# Altium PCB Mosaic-Portenta.PcbDoc (part 2 of 2)
Units mm, origin at the board's own origin, x right, y up, seen from the top; angles counter-clockwise.
Board outline 95 x 75 mm, 4 copper layers (L1, L2, L3, L4), stack 1.546 mm thick; 121 components, 132 nets, 916 pads, 376 vias.
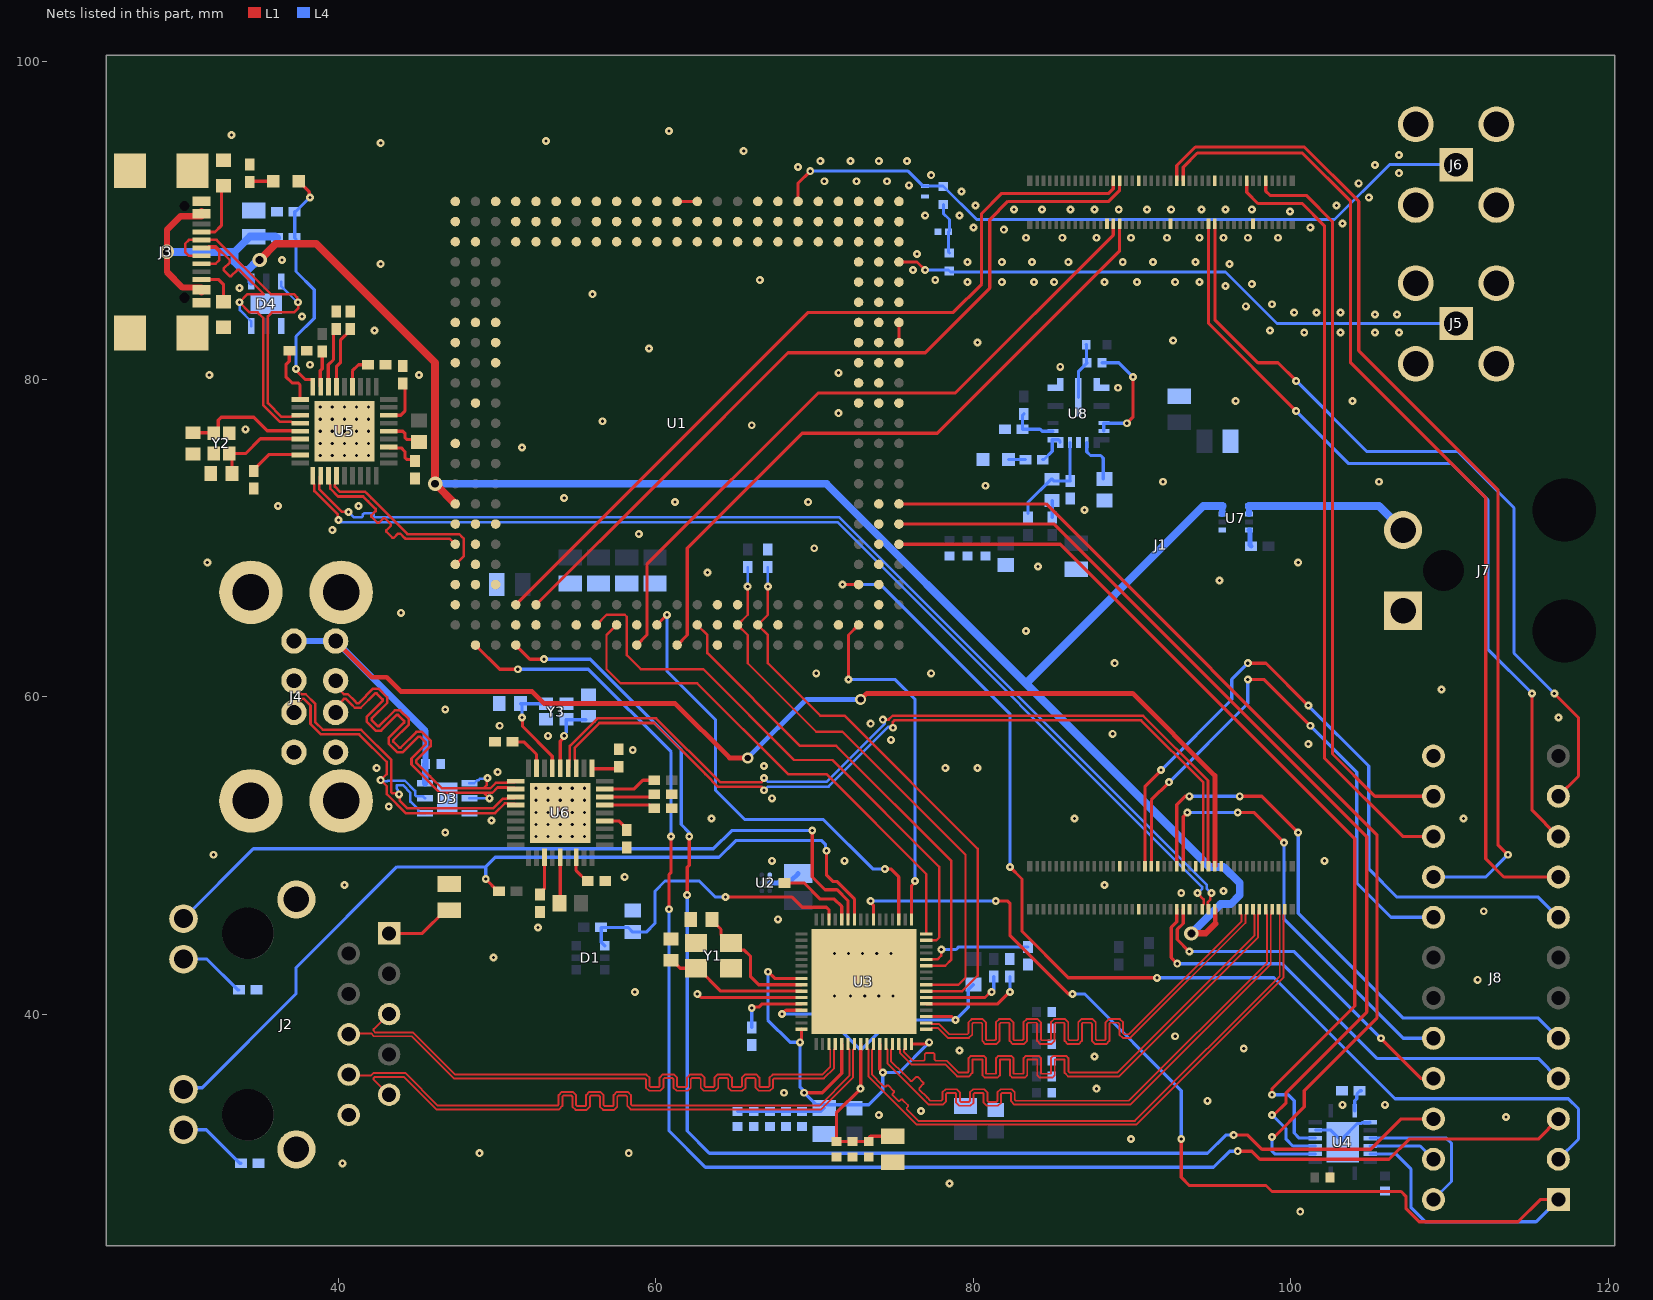
[diagram p4: the nets of this part, all layers, seen from the top]

## Via types
v1: diameter 0.5, hole 0.2, L1 to L4, 361 vias
v2: diameter 0.9, hole 0.5, L1 to L4, 9 vias
v3: diameter 0.6, hole 0.3, L1 to L4, 4 vias
v4: diameter 0.7, hole 0.4, L1 to L4, 2 vias

## Nets (pads, with @x,y where several pads share a name; then routed paths per layer and width w, separated by ;. In a path a pad name is that pad's centre, name@x,y a point inside that pad or via, vN(x,y) a via of type N, cw(c..) or ccw(c..) an arc to the next point about the centre after c; other vN are vias at no path point) (continued)
ETH_1C_N: J2.P6 U3.4 | length 40
  L1 w0.12: J2.P6@40.64,38.735 40.693,38.788 42.062,38.788 42.242,38.608 44.624,38.608 47.273,35.959 58.31,35.959 59.303,35.959 59.373,35.889 59.373,35.376 59.574,35.175 60.272,35.175 60.473,35.376 60.473,35.904 60.536,35.967 61.039,35.967 61.101,35.904 61.101,35.376 61.302,35.175 62,35.175 62.201,35.376 62.201,35.904 62.264,35.967 62.767,35.967 62.829,35.904 62.829,35.376 63.03,35.175 63.728,35.175 63.929,35.376 63.929,35.904 63.992,35.967 64.495,35.967 64.557,35.904 64.557,35.376 64.758,35.175 65.456,35.175 65.657,35.376 65.657,35.904 65.72,35.967 66.223,35.967 66.285,35.904 66.285,35.376 66.486,35.175 67.184,35.175 67.385,35.376 67.385,35.889 67.456,35.959 68.542,35.959 70.583,35.959 71.222,36.598 71.222,37.764 71.304,37.846 U3.4@71.304,38.125
ETH_1C_P: J2.P5 U3.3 | length 39.4
  L1 w0.12: J2.P5@43.18,40.005 42.229,39.054 42.229,38.955 42.34,38.844 44.722,38.844 47.371,36.195 58.31,36.195 59.401,36.195 59.609,35.986 59.609,35.473 59.672,35.411 60.175,35.411 60.237,35.473 60.237,36.002 60.438,36.203 61.136,36.203 61.337,36.002 61.337,35.473 61.4,35.411 61.903,35.411 61.965,35.473 61.965,36.002 62.166,36.203 62.864,36.203 63.065,36.002 63.065,35.473 63.128,35.411 63.631,35.411 63.693,35.473 63.693,36.002 63.894,36.203 64.592,36.203 64.793,36.002 64.793,35.473 64.856,35.411 65.359,35.411 65.421,35.473 65.421,36.002 65.622,36.203 66.32,36.203 66.521,36.002 66.521,35.473 66.584,35.411 67.087,35.411 67.149,35.473 67.149,35.986 67.358,36.195 68.542,36.195 70.485,36.195 70.986,36.696 70.986,37.764 70.904,37.846 U3.3@70.904,38.125
ETH_1D_N: J2.P9 U3.7 | length 39.9
  L1 w0.12: J2.P9@43.18,34.925 42.229,35.876 42.229,35.975 42.299,36.046 44.139,36.046 46.176,34.008 53.68,34.008 53.907,34.008 54.116,34.216 54.116,34.805 54.178,34.868 54.681,34.868 54.744,34.805 54.744,34.17 54.945,33.969 55.643,33.969 55.844,34.17 55.844,34.805 55.906,34.868 56.409,34.868 56.472,34.805 56.472,34.17 56.673,33.969 57.371,33.969 57.572,34.17 57.572,34.805 57.634,34.868 58.137,34.868 58.2,34.805 58.2,34.216 58.408,34.008 58.801,34.008 70.41,34.008 72.422,36.02 72.422,37.764 72.504,37.846 U3.7@72.504,38.125
ETH_1D_P: J2.P8 U3.6 | length 39.7
  L1 w0.12: J2.P8@40.64,36.195 40.693,36.142 42.062,36.142 42.202,36.282 44.236,36.282 46.274,34.244 53.68,34.244 53.809,34.244 53.88,34.314 53.88,34.903 54.081,35.104 54.779,35.104 54.98,34.903 54.98,34.268 55.042,34.205 55.545,34.205 55.608,34.268 55.608,34.903 55.809,35.104 56.507,35.104 56.708,34.903 56.708,34.268 56.77,34.205 57.273,34.205 57.336,34.268 57.336,34.903 57.537,35.104 58.235,35.104 58.436,34.903 58.436,34.314 58.506,34.244 58.801,34.244 70.312,34.244 72.186,36.118 72.186,37.764 72.104,37.846 U3.6@72.104,38.125
ETH_2A_N: J1.3 U3.10 | length 37.5
  L1 w0.12: U3.10@73.704,38.125 73.704,37.846 73.622,37.764 73.622,36.186 74.208,35.6 74.373,35.434 74.473,35.434 74.549,35.51 74.638,35.51 74.993,35.155 74.993,35.066 74.912,34.985 74.912,34.896 75.267,34.541 75.356,34.541 75.437,34.622 75.526,34.622 75.881,34.267 75.881,34.178 75.805,34.102 75.805,34.003 76.292,33.516 76.534,33.274 90.17,33.274 99.293,42.397 99.293,46.269 99.266,46.296 99.266,46.554 J1.3@99.211,46.609
ETH_2A_P: J1.1 U3.9 | length 37.7
  L1 w0.12: U3.9@73.304,38.125 73.304,37.846 73.386,37.764 73.386,36.088 76.436,33.038 90.268,33.038 99.529,42.299 99.529,46.269 99.556,46.296 99.556,46.554 J1.1@99.611,46.609
ETH_2B_N: J1.7 U3.13 | length 37.4
  L1 w0.12: U3.13@74.904,38.125 74.904,37.846 74.822,37.764 74.822,37.018 75.567,36.273 76.049,35.791 76.148,35.791 76.405,36.048 76.493,36.048 76.849,35.693 76.849,35.604 76.592,35.347 76.592,35.248 77.079,34.761 77.296,34.544 77.851,34.544 77.98,34.544 78.05,34.614 78.05,35.07 78.251,35.271 78.949,35.271 79.15,35.07 79.15,34.531 79.213,34.468 79.716,34.468 79.778,34.531 79.778,35.07 79.979,35.271 80.677,35.271 80.878,35.07 80.878,34.531 80.941,34.468 81.444,34.468 81.506,34.531 81.506,35.07 81.707,35.271 82.405,35.271 82.606,35.07 82.606,34.614 82.677,34.544 82.817,34.544 89.789,34.544 98.493,43.248 98.493,46.269 98.466,46.296 98.466,46.554 J1.7@98.411,46.609
ETH_2B_P: J1.5 U3.12 | length 37.3
  L1 w0.12: U3.12@74.504,38.125 74.504,37.846 74.586,37.764 74.586,36.92 77.198,34.308 77.851,34.308 78.078,34.308 78.286,34.517 78.286,34.972 78.349,35.035 78.852,35.035 78.914,34.972 78.914,34.433 79.115,34.232 79.813,34.232 80.014,34.433 80.014,34.972 80.077,35.035 80.58,35.035 80.642,34.972 80.642,34.433 80.843,34.232 81.541,34.232 81.742,34.433 81.742,34.972 81.805,35.035 82.308,35.035 82.37,34.972 82.37,34.517 82.579,34.308 82.817,34.308 89.887,34.308 98.729,43.15 98.729,46.269 98.756,46.296 98.756,46.554 J1.5@98.811,46.609
ETH_2C_N: J1.11 U3.15 | length 37.3
  L1 w0.12: U3.15@75.704,38.125 75.704,37.846 75.622,37.764 75.622,37.635 76.191,37.066 76.864,37.066 76.934,37.136 76.934,37.49 76.997,37.552 77.499,37.552 77.562,37.49 77.562,37.136 77.632,37.066 78.32,37.066 78.33,37.066 79.074,36.322 79.502,36.322 79.631,36.322 79.701,36.392 79.701,37.233 79.84,37.372 80.663,37.372 80.801,37.233 80.801,36.247 81.429,36.247 81.429,37.233 81.568,37.372 82.391,37.372 82.529,37.233 82.529,36.247 83.157,36.247 83.157,37.233 83.296,37.372 84.119,37.372 84.257,37.233 84.257,36.247 84.885,36.247 84.885,37.233 85.024,37.372 85.847,37.372 85.985,37.233 85.985,36.392 86.056,36.322 87.503,36.322 89.074,36.322 97.693,44.941 97.693,46.155 97.693,46.269 97.666,46.296 97.666,46.554 J1.11@97.611,46.609
ETH_2C_P: J1.9 U3.14 | length 37.3
  L1 w0.12: U3.14@75.304,38.125 75.304,37.846 75.386,37.764 75.386,37.537 76.093,36.83 78.232,36.83 78.976,36.086 79.502,36.086 79.729,36.086 79.937,36.295 79.937,37.136 80.565,37.136 80.565,36.149 80.704,36.011 81.527,36.011 81.665,36.149 81.665,37.136 82.293,37.136 82.293,36.149 82.432,36.011 83.255,36.011 83.393,36.149 83.393,37.136 84.021,37.136 84.021,36.149 84.16,36.011 84.983,36.011 85.121,36.149 85.121,37.136 85.749,37.136 85.749,36.295 85.958,36.086 87.503,36.086 89.172,36.086 97.929,44.843 97.929,46.058 97.929,46.269 97.956,46.296 97.956,46.554 J1.9@98.011,46.609
ETH_2D_N: J1.15 U3.18 | length 37.4
  L1 w0.12: U3.18@77.028,39.45 77.308,39.45 77.39,39.368 77.851,39.368 78.483,38.735 79.492,38.735 79.621,38.735 79.691,38.805 79.691,39.493 79.892,39.694 80.59,39.694 80.791,39.493 80.791,38.417 80.854,38.354 81.356,38.354 81.419,38.417 81.419,39.493 81.62,39.694 82.318,39.694 82.519,39.493 82.519,38.417 82.582,38.354 83.084,38.354 83.147,38.417 83.147,39.493 83.348,39.694 84.046,39.694 84.247,39.493 84.247,38.417 84.31,38.354 84.812,38.354 84.875,38.417 84.875,39.493 85.076,39.694 85.774,39.694 85.975,39.493 85.975,38.417 86.038,38.354 86.54,38.354 86.603,38.417 86.603,39.493 86.804,39.694 87.502,39.694 87.703,39.493 87.703,38.417 87.766,38.354 88.268,38.354 88.331,38.417 88.331,39.493 88.532,39.694 89.23,39.694 89.431,39.493 89.431,38.805 89.502,38.735 89.746,38.735 89.789,38.735 96.893,45.839 96.893,46.269 96.866,46.296 96.866,46.554 J1.15@96.811,46.609
ETH_2D_P: J1.13 U3.17 | length 37.8
  L1 w0.12: U3.17@77.028,39.05 77.308,39.05 77.39,39.132 77.753,39.132 78.386,38.499 79.492,38.499 79.719,38.499 79.927,38.708 79.927,39.395 79.99,39.458 80.493,39.458 80.555,39.395 80.555,38.319 80.756,38.118 81.454,38.118 81.655,38.319 81.655,39.395 81.718,39.458 82.22,39.458 82.283,39.395 82.283,38.319 82.484,38.118 83.182,38.118 83.383,38.319 83.383,39.395 83.446,39.458 83.948,39.458 84.011,39.395 84.011,38.319 84.212,38.118 84.91,38.118 85.111,38.319 85.111,39.395 85.174,39.458 85.676,39.458 85.739,39.395 85.739,38.319 85.94,38.118 86.638,38.118 86.839,38.319 86.839,39.395 86.902,39.458 87.404,39.458 87.467,39.395 87.467,38.319 87.668,38.118 88.366,38.118 88.567,38.319 88.567,39.395 88.63,39.458 89.132,39.458 89.195,39.395 89.195,38.708 89.404,38.499 89.746,38.499 89.887,38.499 97.129,45.741 97.129,46.269 97.156,46.296 97.156,46.554 J1.13@97.211,46.609
ETH_ISET: R2.2 U3.60 | length 4.5
  L1 w0.2: v1(66.04,40.386) 66.097,40.443 66.484,40.443 66.69,40.65 67.808,40.65 U3.60@69.18,40.65
  L4 w0.2: R2.2@66.04,39.158 v1(66.04,40.386)
ETH_LED2_0: J2.P13 R3.2 U3.42 | length 55.6
  L1 w0.2: v1@49.276,48.514 v1(49.286,48.514) 50.048,47.752 R3.2@50.123,47.752 ; v1(70.739,50.292) 70.739,48.768 71.142,48.365 71.396,48.365 72.504,47.257 U3.42@72.504,45.974
  L4 w0.2: J2.P13@30.23,35.265 30.332,35.367 31.43,35.367 37.338,41.275 37.338,42.926 43.688,49.276 49.276,49.276 ; v1(49.286,48.514) 49.286,49.266 49.276,49.276 ; v1(70.739,50.292) 70.682,50.349 70.682,50.7 70.455,50.927 65.024,50.927 63.979,49.882 49.882,49.882 49.276,49.276
ETH_LED2_1: J2.P11 U3.43 | length 48.9
  L1 w0.2: v1(69.85,51.562) 69.85,48.641 70.651,47.84 71.413,47.84 72.104,47.149 U3.43@72.104,45.974
  L4 w0.2: J2.P11@30.25,46.015 34.654,50.419 63.627,50.419 64.77,51.562 v1(69.85,51.562)
ETH_PME_N: R9.2 U3.44 | length 5
  L1 w0.2: R9.2@68.114,48.26 69.342,48.26 70.358,47.244 71.247,47.244 71.704,46.787 U3.44@71.704,45.974
ETH_RST_N: C30.1 D1.1 R15.2 U3.46 | length 19.6
  L1 w0.2: v1(64.389,47.371) 68.58,47.371 69.215,46.736 70.739,46.736 70.904,46.571 U3.46@70.904,45.974
  L4 w0.2: D1.1@56.78,44.311 56.557,44.534 R15.2@56.557,45.466 58.248,45.466 C30.1@58.547,45.167 59.391,45.167 59.944,45.72 59.944,47.752 60.579,48.387 62.738,48.387 63.754,47.371 v1(64.389,47.371)
EVENTA_1V8: U1.AC6 U4.5 | length 59.7
  L1 w0.2: U1.AC6@75.311,69.596 85.471,69.596 104.013,51.054 104.013,40.513 98.806,35.306 v1(98.806,34.925)
  L4 w0.2: v1(98.806,34.925) 99.822,34.925 100.203,34.544 100.203,32.512 100.518,32.197 U4.5@101.538,32.197
EVENTB_1V8: U1.AC7 U4.4 | length 61.6
  L1 w0.2: U1.AC7@75.311,70.866 85.09,70.866 104.775,51.181 104.775,40.132 99.695,35.052 99.695,34.417 98.933,33.655 v1(98.806,33.655)
  L4 w0.2: v1(98.806,33.655) 99.695,32.766 99.695,32.121 100.119,31.697 U4.4@101.538,31.697
GND: C1.2 C2.2 C3.2 C4.2 C5.2 C6.2 C7.2 C8.2 C9.2 C10.2 C11.2 C12.2 C13.2 C14.2 C15.2 C16.2 C17.2 C18.2 C19.2 C20.2 C21.2 C22.2 C23.2 C24.2 C25.2 C26.2 C27.2 C28.2 C29.2 C30.2 C32.1 C33.1 C34.2 C35.2 C37.2 C38.2 C39.2 C40.2 C41.2 C42.2 C44.2 C45.2 C46.2 C47.2 D2.2 D3.3 D3.7 D4.4 D4.7 D6.1 J1.22 J1.30 J1.31 J1.42 J1.47 J1.54 J1.104 J1.113 J1.124 J1.137 J1.150 J2.P10 J2.S1 J2.S2 J3.A1 J3.A12 J3.B1 J3.B12 J3.MP1 J3.MP2 J3.MP3 J3.MP4 J4.4A J4.4B J4.MP1 J4.MP2 J4.MP3 J4.MP4 J5.2 J5.3 J5.4 J5.5 J6.2 J6.3 J6.4 J6.5 J7.1 J8.13 R2.1 R4.1 R6.1 R8.1 R10.2 R11.2 R14.2 R16.2 R17.2 R19.2 R20.2 R21.2 R22.2 R23.2 R24.1 R25.1 R26.2 R27.2 R28.2 R29.2 R30.2 R31.2 R32.2 R35.2 R36.2 R40.2 R42.2 U1.A3 U1.A4 U1.A7 U1.A15 U1.A16 U1.A17 U1.A21 U1.A22 U1.A23 U1.AA13 U1.AA14 U1.AA15 U1.AA16 U1.AA17 U1.AA18 U1.AA19 U1.AA20 U1.AA21 U1.AA22 U1.AA23 U1.AB2 U1.AB3 U1.AB4 U1.AB5 U1.AB6 U1.AB7 U1.AB8 U1.AB13 U1.AB14 U1.AB15 U1.AB16 U1.AB17 U1.AB18 U1.AB19 U1.AB20 U1.AB21 U1.AB22 U1.AB23 U1.AC13 U1.AC15 U1.AC18 U1.AC19 U1.AC21 U1.AC22 U1.AC23 U1.B4 U1.B5 U1.B6 U1.B7 U1.B13 U1.B17 U1.B21 U1.C4 U1.C7 U1.C15 U1.C16 U1.C17 U1.C23 U1.D2 U1.D21 U1.D22 U1.D23 U1.E2 U1.E21 U1.E22 U1.E23 U1.F21 U1.F22 U1.F23 U1.G2 U1.G21 U1.G23 U1.H21 U1.H22 U1.H23 U1.J21 U1.J22 U1.J23 U1.K2 U1.K21 U1.K22 U1.K23 U1.L21 U1.L22 U1.L23 U1.M21 U1.M22 U1.N21 U1.N22 U1.P1 U1.P2 U1.P3 U1.P21 U1.P22 U1.R3 U1.R21 U1.R22 U1.T21 U1.T22 U1.T23 U1.U2 U1.U21 U1.U22 U1.U23 U1.V21 U1.V22 U1.W21 U1.W22 U1.W23 U1.Y2 U1.Y21 U1.Y22 U1.Y23 U2.C2 U3.59 U3.65 U4.6 U4.10 U4.17 U5.37 U6.37 U7.1 U8.3 U8.9 U8.11 U8.17 U8.18 Y1.2 Y1.4 Y2.2 Y2.4 Y3.2 Y3.4 | length 11.1
  L1 w0.2: v1(62.611,41.275) 62.836,41.05 U3.59@69.18,41.05
  L4 w0.2: U4.6@101.538,32.697 102.513,32.697 U4.17@103.263,31.947 103.263,32.197 104.188,33.122 104.438,33.122 104.473,33.157 104.948,33.157 U4.10@104.988,33.197
  other v1: 100.584,27.559 78.486,29.337 40.259,30.607 48.895,31.242 58.293,31.242 89.916,32.131 113.538,33.528 74.041,33.655 76.708,33.909 103.251,34.29 105.918,34.29 94.742,34.544 68.072,35.052 87.757,35.306 87.63,37.338 79.121,37.719 97.028,37.846 92.71,38.608 71.247,41.148 72.263,41.148 73.152,41.148 74.041,41.148 74.93,41.148 58.674,41.402 111.76,42.164 49.784,43.561 71.247,43.815 72.136,43.815 73.025,43.815 73.914,43.815 74.803,43.815 52.578,45.466 67.691,45.974 112.141,46.482 93.091,47.625 95.758,47.752 40.386,48.133 88.265,48.133 58.039,48.641 67.31,49.657 71.882,49.657 102.108,49.657 32.131,50.038 52.451,51.181 53.213,51.181 53.975,51.181 54.737,51.181 55.499,51.181 46.736,51.435 52.451,51.943 53.213,51.943 53.975,51.943 54.737,51.943 55.499,51.943 49.657,52.197 63.5,52.324 86.36,52.324 110.871,52.324 53.981,52.673 52.451,52.705 53.213,52.705 54.737,52.705 55.499,52.705 43.18,53.086 52.451,53.467 53.213,53.467 53.975,53.467 54.737,53.467 55.499,53.467 67.31,53.594 52.451,54.229 53.213,54.229 53.975,54.229 54.737,54.229 55.499,54.229 50.038,55.245 42.418,55.499 78.232,55.499 80.264,55.499 66.802,55.626 58.547,56.642 101.092,57.023 74.803,57.277 53.213,57.531 88.773,57.658 50.165,58.166 73.533,58.293 116.84,58.674 46.736,59.182 109.474,60.452 70.104,61.468 77.343,61.468 88.9,62.103 83.312,64.135 43.942,65.278 95.504,67.31 63.246,67.818 84.074,68.199 31.75,68.453 100.457,68.453 69.977,69.342 58.928,70.231 39.624,70.485 86.995,71.755 36.195,72.009 41.275,72.009 61.214,72.263 69.596,72.263 54.229,72.517 80.772,73.279 91.948,73.533 105.537,73.533 38.862,75.184 39.624,75.184 40.386,75.184 41.148,75.184 41.91,75.184 51.562,75.692 38.862,75.946 39.624,75.946 40.386,75.946 41.148,75.946 41.91,75.946 38.862,76.708 39.624,76.708 40.392,76.716 41.148,76.708 41.91,76.708 34.163,76.835 66.04,77.089 56.642,77.343 38.862,77.47 39.624,77.47 40.386,77.47 41.148,77.47 41.91,77.47 71.501,77.851 38.862,78.232 39.624,78.232 40.386,78.232 41.148,78.232 41.91,78.232 96.52,78.613 103.886,78.613 89.103,79.451 31.877,80.264 45.085,80.264 71.501,80.391 85.471,80.772 38.227,80.899 59.563,81.915 80.264,82.296 92.583,82.423 100.838,82.931 103.124,82.931 105.283,82.931 106.807,82.931 42.291,83.058 98.679,83.058 37.719,83.947 105.283,84.074 106.68,84.074 100.203,84.201 101.6,84.201 103.124,84.201 97.155,84.582 98.806,84.709 56.007,85.344 33.782,85.725 95.885,85.852 97.536,85.979 79.629,86.106 81.788,86.106 83.82,86.106 85.09,86.106 88.265,86.106 90.297,86.106 92.71,86.106 94.234,86.106 66.548,86.233 77.597,86.233 76.2,86.868 42.672,87.249 96.139,87.249 79.629,87.376 81.788,87.376 83.693,87.376 85.979,87.376 89.408,87.376 91.313,87.376 93.98,87.376 36.449,87.503 76.454,87.884 83.312,88.9 85.598,88.9 87.757,88.9 89.916,88.9 92.202,88.9 94.234,88.9 95.758,88.9 97.282,88.9 99.187,88.9 81.915,89.408 80.01,89.535 101.219,89.535 103.251,89.789 76.962,90.297 79.121,90.297 99.949,90.551 82.55,90.678 84.328,90.678 86.106,90.678 87.63,90.678 89.154,90.678 90.932,90.678 92.456,90.678 94.361,90.678 95.885,90.678 97.536,90.678 80.137,90.932 102.87,90.932 104.902,91.44 79.248,91.821 75.946,92.202 104.267,92.329 70.612,92.456 72.644,92.456 74.549,92.456 77.343,92.837 106.807,92.964 68.961,93.345 105.283,93.472 70.358,93.726 72.263,93.726 74.041,93.726 75.819,93.726 106.807,94.107 65.532,94.361 42.672,94.869 53.086,94.996 33.274,95.377 60.833,95.631
I2C_SCL0: J1.46 J8.8 | length 45.4
  L1 w0.2: J1.46@90.811,49.319 90.811,54.362 v1(91.821,55.372) ; v1(97.282,62.103) 98.425,62.103 v1(101.092,59.436)
  L4 w0.2: v1(91.821,55.372) 96.266,59.817 96.266,61.087 v1(97.282,62.103) ; v1(101.092,59.436) 104.902,55.626 104.902,49.149 106.68,47.371 115.57,47.371 J8.8@116.84,46.101
I2C_SCL1: J1.127 J8.9 | length 63
  L1 w0.2: J1.127@93.211,92.499 93.211,93.338 94.107,94.234 100.711,94.234 103.759,91.186 103.759,81.026 112.268,72.517 112.268,49.784 113.411,48.641 J8.9@116.84,48.641
I2C_SDA0: J1.44 J8.17 | length 36.3
  L1 w0.2: J1.44@91.211,49.319 91.211,53.492 v1(92.329,54.61) ; v1(97.282,61.087) 98.298,61.087 v1(101.219,58.166)
  L4 w0.2: v1(92.329,54.61) 97.282,59.563 v1(97.282,61.087) ; v1(101.219,58.166) 104.14,55.245 104.14,48.26 106.299,46.101 J8.17@108.97,46.101
I2C_SDA1: J1.125 J8.16 | length 64.6
  L1 w0.2: J1.125@92.811,92.499 92.811,93.446 93.98,94.615 100.838,94.615 104.267,91.186 104.267,81.788 113.03,73.025 113.03,50.673 v1(113.665,50.038)
  L4 w0.2: J8.16@108.97,48.641 112.268,48.641 v1(113.665,50.038)
MOS_EVA: J8.24 U4.12 | length 9.4
  L1 w0.2: J8.24@108.97,28.321 J8.24@108.97,28.444
  L4 w0.2: U4.12@104.988,32.197 109.789,32.197 110.109,31.877 110.109,29.464 108.97,28.325 J8.24@108.97,28.321
MOS_EVB: J8.23 U4.13 | length 4.3
  L4 w0.2: U4.13@104.988,31.697 108.134,31.697 J8.23@108.97,30.861
MOS_GP1: J8.2 U1.AA4 | length 72.3
  L1 w0.2: v1(71.755,67.056) U1.AA4@72.771,67.056 ; v1(82.296,49.276) 83.058,48.514 83.058,45.212 85.979,42.291 v1(91.567,42.291)
  L4 w0.2: v1(71.755,67.056) 74.168,67.056 82.296,58.928 v1(82.296,49.276) ; v1(91.567,42.291) 98.933,42.291 106.553,34.671 117.475,34.671 118.11,34.036 118.11,32.131 J8.2@116.84,30.861
MOS_nRST: U1.A11
MOS_PPS: J8.1 U3.39 U4.14 | length 73.9
  L1 w0.2: v1(73.533,47.117) 73.533,47.036 73.704,46.865 U3.39@73.704,45.974 ; v1(81.407,47.117) 82.169,47.117 82.296,46.99 82.296,44.958 85.979,41.275 v1(86.233,41.275) ; v1(93.091,32.131) 93.091,29.718 93.599,29.21 98.425,29.21 98.806,28.829 106.934,28.829 107.251,28.512 107.251,27.75 108.077,26.924 114.3,26.924 115.697,28.321 J8.1@116.84,28.321
  L4 w0.2: v1(73.533,47.117) v1(81.407,47.117) ; v1(86.233,41.275) 86.995,41.275 93.091,35.179 v1(93.091,32.131) ; U4.14@104.988,31.197 106.598,31.197 107.569,30.226 107.569,27.813 108.458,26.924 115.443,26.924 J8.1@116.84,28.321
MOS_RX1: J8.3 U1.B1 | length 97.7
  L1 w0.2: U1.B1@48.641,63.246 50.165,61.722 v1(51.308,61.722) ; v1(60.833,46.609) 60.833,48.803 60.96,48.93 v1(60.96,51.181) ; v1(96.647,31.369) 97.536,31.369 98.044,30.861 106.172,30.861 107.442,32.131 115.57,32.131 J8.3@116.84,33.401
  L4 w0.2: v1(51.308,61.722) 55.753,61.722 60.96,56.515 v1(60.96,51.181) ; v1(60.833,46.609) 60.833,32.639 63.119,30.353 95.123,30.353 96.139,31.369 v1(96.647,31.369)
MOS_RX3: J1.106 U1.K1 | length 44
  L1 w0.2: U1.K1@58.801,63.246 59.436,63.881 59.436,68.326 70.231,79.121 78.867,79.121 88.811,89.065 J1.106@88.811,89.789
MOS_RX4: J1.105 U1.D3 | length 51.6
  L1 w0.2: U1.D3@51.181,65.786 69.596,84.201 78.74,84.201 80.518,85.979 80.518,90.424 81.788,91.694 88.519,91.694 88.811,91.986 J1.105@88.811,92.499
MOS_TX1: J8.22 U1.D1 | length 86.6
  L1 w0.2: U1.D1@51.181,63.246 52.07,62.357 v1(52.959,62.357) ; v1(61.976,47.498) 61.976,49.247 62.103,49.374 v1(62.103,51.181) ; v1(96.393,32.385) 97.282,32.385 98.171,31.496 105.029,31.496 106.934,33.401 J8.22@108.97,33.401
  L4 w0.2: v1(52.959,62.357) 55.88,62.357 61.595,56.642 61.595,51.943 62.103,51.435 v1(62.103,51.181) ; v1(61.976,47.498) 61.976,32.639 63.373,31.242 94.742,31.242 95.885,32.385 v1(96.393,32.385)
MOS_TX3: J1.108 U1.M1 | length 43.1
  L1 w0.2: U1.M1@61.341,63.246 61.976,63.881 61.976,69.342 69.215,76.581 77.724,76.581 89.211,88.068 J1.108@89.211,89.789
MOS_TX4: J1.107 U1.E3 | length 50.7
  L1 w0.2: U1.E3@52.451,65.786 60.363,73.698 68.326,81.661 76.962,81.661 81.026,85.725 81.026,90.043 82.169,91.186 88.519,91.186 89.211,91.878 J1.107@89.211,92.499
NetC4_1: C4.1 C5.1 C6.1 C7.1 L3.1 U3.8 U3.19 U3.61 | length 31.2
  L1 w0.2: v1(67.945,40.005) 68.19,40.25 U3.61@69.18,40.25 ; U3.8@72.904,38.125 72.902,38.124 72.902,35.31 v1(72.898,35.306) 71.374,33.782 C4.1@71.374,31.976 72.263,31.976 73.152,31.976 73.182,31.976 73.362,32.156 73.362,32.164 73.514,32.316 C7.1@74.549,32.316 ; U3.19@77.028,39.85 78.641,39.85 v1(78.867,39.624)
  L4 w0.2: v1(67.945,40.005) 70.612,40.005 72.898,37.719 ; v1(72.898,35.306) 72.898,37.719 ; L3.1@80.01,41.872 79.673,41.535 79.673,40.43 v1(78.867,39.624) 74.803,39.624 72.898,37.719
NetC8_1: C8.1 C9.1 C10.1 C11.1 C12.1 C13.1 L2.1 U3.5 U3.11 U3.16 U3.56 U3.64 | length 35.9
  L1 w0.2: v1(67.056,42.672) 67.478,42.25 U3.56@69.18,42.25 ; v1(69.088,38.227) 69.18,38.319 U3.64@69.18,39.05 ; v1(69.342,35.052) 70.485,35.052 71.704,36.271 U3.5@71.704,38.125 ; U3.11@74.104,38.125 74.104,36.513 v1(74.295,36.322) ; U3.16@76.104,38.125 77.114,38.125 v1(77.216,38.227)
  L4 w0.2: C8.1@65.151,33.881 C9.1@66.167,33.881 C10.1@67.183,33.881 C11.1@68.199,33.881 C12.1@69.215,33.881 70.399,33.881 C13.1@70.612,34.094 ; v1(67.056,42.672) 67.056,39.624 68.453,38.227 v1(69.088,38.227) 69.088,35.401 69.342,35.147 v1(69.342,35.052) 70.104,34.29 73.406,34.29 74.295,35.179 v1(74.295,36.322) 75.311,36.322 v1(77.216,38.227)
NetC25_1: C25.1 U3.57 Y1.3 | length 8.4
  L1 w0.2: C25.1@63.535,45.974 63.535,45.904 64.102,45.337 64.102,44.988 64.602,44.488 Y1.3@64.727,44.488 ; Y1.3@64.787,44.488 Y1.3@64.727,44.488 ; U3.57@69.18,41.85 66.481,41.85 65.972,42.359 65.972,43.629 65.57,44.031 65.184,44.031 Y1.3@64.727,44.488
NetC26_1: C26.1 U3.58 Y1.1 | length 9
  L1 w0.2: C26.1@60.96,43.399 61.03,43.399 61.541,42.888 Y1.1@62.527,42.888 62.652,42.888 64.09,41.45 U3.58@69.18,41.45
NetC27_1: C27.1 J2.P1 | length 4.4
  L1 w0.2: J2.P1@43.18,45.085 45.284,45.085 46.75,46.551 C27.1@46.99,46.551
NetC31_1: C31.1 U5.14 | length 2.4
  L1 w0.2: U5.14@43.192,76.716 44.061,76.716 44.196,76.581 44.196,76.317 44.313,76.2 44.675,76.2 45.04,75.835 C31.1@45.04,75.819
NetC32_2: C32.2 U5.33 Y2.1 | length 6.2
  L1 w0.2: C32.2@33.309,74.041 33.309,75.126 Y2.1@33.129,75.306 34.158,75.306 35.092,76.24 37.568,76.24 U5.33@37.592,76.216
NetC33_2: C33.2 U5.32 Y2.3 | length 7.8
  L1 w0.2: C33.2@30.861,76.616 32.119,76.616 Y2.3@32.149,76.586 32.439,76.876 32.439,77.407 32.629,77.597 34.671,77.597 35.528,76.74 37.568,76.74 U5.32@37.592,76.716
NetC34_1: C34.1 U6.33 Y3.1 | length 6.5
  L1 w0.2: v1(51.562,58.674) 51.604,58.632 51.604,58.124 53.481,56.247 U6.33@53.481,55.473
  L4 w0.2: v1(51.562,58.674) 51.562,59.471 C34.1@51.47,59.563 51.488,59.545 Y3.1@53.081,59.545
NetC35_1: C35.1 U6.32 Y3.3 | length 4.5
  L1 w0.2: U6.32@53.981,55.473 53.975,55.479 53.975,57.196 54.229,57.45 v1(54.229,57.531)
  L4 w0.2: v1(54.229,57.531) 54.229,57.612 54.356,57.739 54.356,58.56 Y3.3@54.361,58.565 54.379,58.547 C35.1@55.591,58.547
NetC36_1: C36.1 U6.14 | length 2.8
  L1 w0.2: C36.1@53.981,47.041 U6.14@53.981,49.873
NetC37_1: C37.1 L4.2 L5.1 | length 3.3
  L4 w0.184: L5.1@78.105,91.002 78.105,90.424 78.486,90.043 78.486,89.332 C37.1@78.435,89.281 78.435,87.992 L4.2@78.486,87.941
NetC40_1: C40.1 U8.2 | length 3.1
  L4 w0.2: U8.2@87.139,76.001 87.139,75.421 87.376,75.184 88.011,75.184 88.183,75.012 C40.1@88.183,73.705
NetC43_1: C43.1 L6.1 U8.10 | length 3.6
  L4 w0.2: U8.10@86.614,78.851 86.614,80.46 87.15,80.996 C43.1@87.15,81.026 87.128,81.048 87.128,82.147 L6.1@87.107,82.169
NetC43_2: C43.2 U8.13 U8.14 | length 7.3
  L1 w0.2: v1(89.662,77.216) 90.043,77.597 v1(90.043,80.137)
  L4 w0.2: C43.2@88.11,81.026 89.154,81.026 v1(90.043,80.137) ; U8.14@88.214,76.726 U8.13@88.214,77.226 88.219,77.221 89.657,77.221 v1(89.662,77.216)
NetC48_1: C48.1 R38.2 R40.1 U8.4 | length 6.5
  L4 w0.2: R38.2@83.439,71.543 83.439,72.241 84.893,73.695 C48.1@84.963,73.695 85.083,73.575 R40.1@86.106,73.575 86.089,73.592 U8.4@86.089,76.001
NetC48_2: C48.2 R39.1 | length 1.1
  L4 w0.2: R39.1@84.963,71.289 C48.2@84.963,72.355
NetD2_1: D2.1 J6.1 L5.2 U1.V23 | length 45.2
  L1 w0.184: U1.V23@68.961,91.186 68.961,92.329 v1(69.723,93.091)
  L4 w0.184: v1(69.723,93.091) 75.892,93.091 76.837,92.146 D2.1@76.962,92.146 78.091,92.146 L5.2@78.105,92.132 78.12,92.132 80.209,90.043 102.743,90.043 106.2,93.5 J6.1@110,93.5
NetD5_1: D5.1 R36.1 | length 1.5
  L1 w0.2: R36.1@34.417,92.414 34.459,92.456 D5.1@35.903,92.456
NetD6_2: D6.2 R43.2 | length 1.1
  L4 w0.2: D6.2@82.207,74.93 R43.2@83.27,74.93
NetJ2_P12: J2.P12 R10.1 | length 4.3
  L4 w0.2: J2.P12@30.23,43.465 31.729,43.465 33.665,41.529 R10.1@33.74,41.529
NetJ2_P14: J2.P14 R11.1 | length 4.5
  L4 w0.2: J2.P14@30.23,32.715 31.684,32.715 33.792,30.607 R11.1@33.867,30.607
NetJ3_A5: J3.A5 R17.1 | length 4
  L1 w0.2: J3.A5@31.386,89.261 32.238,89.261 32.639,89.662 32.639,92.037 R17.1@32.766,92.164
NetJ3_B5: J3.B5 R16.1 | length 2.6
  L1 w0.2: J3.B5@31.386,86.261 32.484,86.261 32.766,85.979 R16.1@32.766,84.874
NetJ5_1: J5.1 L4.1 U1.AC20 | length 36.3
  L1 w0.184: U1.AC20@75.311,87.376 76.454,87.376 v1(76.962,86.868)
  L4 w0.184: v1(76.962,86.868) 78.429,86.868 L4.1@78.486,86.811 78.556,86.741 95.885,86.741 99.126,83.5 J5.1@110,83.5
NetJ7_2: J7.2 U7.5 U7.6 | length 10.8
  L4 w0.4: U7.6@97.358,71.497 U7.5@97.358,71.997
  L4 w0.5: U7.5@97.358,71.997 105.549,71.997 J7.2@107.061,70.485
NetL1_1: L1.1 U2.B2 | length 2
  L4 w0.3: U2.B2@67.175,48.268 67.699,48.268 67.856,48.425 68.53,48.425 L1.1@68.961,48.856
NetR14_1: R14.1 U4.9 | length 1.5
  L4 w0.2: U4.9@104.013,33.922 104.013,34.544 104.14,34.671 104.14,34.862 104.161,34.883 104.161,34.979 104.361,35.179 R14.1@104.436,35.179
NetR18_1: R18.1 U5.26 | length 2.3
  L1 w0.2: U5.26@38.892,79.516 38.862,79.546 38.862,80.518 38.989,80.645 R18.1@38.989,81.746
NetR19_1: R19.1 U5.35 | length 3.4
  L1 w0.2: R19.1@34.671,74.21 34.671,74.285 35.626,75.24 37.568,75.24 U5.35@37.592,75.216
NetR20_1: R20.1 U5.28 | length 3.8
  L1 w0.2: R20.1@36.915,81.788 36.915,81.111 36.703,80.899 36.703,80.137 37.084,79.756 37.465,79.756 37.592,79.629 U5.28@37.592,78.716
NetR21_1: R21.1 U5.25 | length 3.8
  L1 w0.2: U5.25@39.392,79.516 39.37,79.538 39.37,80.899 39.698,81.227 39.698,82.963 R21.1@39.878,83.143
NetR22_1: R22.1 U5.16 | length 2.9
  L1 w0.2: U5.16@43.192,77.716 43.934,77.716 44.196,77.978 44.196,79.587 R22.1@44.069,79.714
NetR23_1: R23.1 U5.12 | length 2.2
  L1 w0.2: U5.12@43.192,75.716 43.242,75.666 43.968,75.666 44.196,75.438 44.196,75.057 44.313,74.94 44.736,74.94 R23.1@44.831,74.845
NetR24_2: R24.2 U5.24 | length 4
  L1 w0.2: U5.24@39.892,79.516 39.878,79.53 39.878,80.772 40.132,81.026 40.132,82.433 40.767,83.068 R24.2@40.767,83.143
NetR25_2: R25.2 U5.22 | length 2.1
  L1 w0.2: U5.22@40.892,79.516 40.892,80.516 41.275,80.899 R25.2@41.868,80.899
NetR26_1: R26.1 U6.35 | length 2.7
  L1 w0.2: R26.1@50.969,57.15 51.689,57.15 52.481,56.358 U6.35@52.481,55.473
NetR27_1: R27.1 U6.24 | length 3.2
  L1 w0.2: U6.24@56.781,53.173 59.613,53.173 59.827,52.959 R27.1@59.902,52.959
NetR28_1: R28.1 U6.22 | length 1.7
  L1 w0.2: U6.22@56.781,52.173 57.672,52.173 58.166,51.679 R28.1@58.166,51.604
NetR29_1: R29.1 U6.28 | length 1.7
  L1 w0.2: U6.28@55.981,55.473 55.997,55.457 R29.1@57.658,55.457
NetR30_1: R30.1 U6.25 | length 3.2
  L1 w0.2: U6.25@56.781,53.673 59.727,53.673 R30.1@59.902,53.848
NetR31_1: R31.1 U6.16 | length 1.8
  L1 w0.2: U6.16@54.981,49.873 54.981,49.042 55.636,48.387 R31.1@55.711,48.387
NetR32_1: R32.1 U6.12 | length 2.4
  L1 w0.2: R32.1@52.705,47.54 52.705,47.615 52.981,47.891 U6.12@52.981,49.873
NetR33_1: R33.1 U6.26 | length 3.4
  L1 w0.2: U6.26@56.781,54.173 58.618,54.173 59.182,54.737 R33.1@59.902,54.737
NetR37_1: R37.1 U7.8 | length 1.1
  L4 w0.3: U7.8@97.358,70.497 97.426,70.497 97.426,69.537 R37.1@97.494,69.469
NetR41_1: R41.1 R42.1 U8.6 | length 3
  L4 w0.2: R41.1@83.185,77.809 83.1,77.724 R42.1@83.1,76.835 84.201,76.835 84.328,76.708 84.996,76.708 U8.6@85.014,76.726
NetR43_1: R43.1 U8.5 U8.16 | length 2.2
  L4 w0.2: R43.1@84.37,74.93 84.445,74.93 84.964,75.449 U8.16@84.964,76.176 85.364,76.176 85.464,76.076 U8.5@85.464,76.001
NetU1_AC16: U1.AC16 U1.AC17 | length 1.3
  L1 w0.2: U1.AC16@75.311,82.296 U1.AC17@75.311,83.566
NetU1_M23: U1.M23 U1.N23 | length 1.3
  L1 w0.2: U1.M23@61.341,91.186 U1.N23@62.611,91.186
PPS_1V8: U1.AC8 U4.3 | length 64.3
  L1 w0.2: U1.AC8@75.311,72.136 84.582,72.136 105.41,51.308 105.41,39.751 100.838,35.179 100.838,34.163 98.933,32.258 v1(98.806,32.258)
  L4 w0.2: v1(98.806,32.258) 98.806,31.359 98.968,31.197 U4.3@101.538,31.197
PRO_ADC0: J1.153 J8.14 | length 46.7
  L1 w0.2: J1.153@98.411,92.499 98.411,91.835 98.679,91.567 100.965,91.567 102.616,89.916 102.616,56.388 105.283,53.721 J8.14@108.97,53.721
PRO_GP0: J1.136 J8.10 | length 51.5
  L1 w0.2: J1.136@94.811,89.789 94.811,83.497 v1(100.33,77.978) ; v1(115.189,60.198) 115.189,52.832 J8.10@116.84,51.181
  L4 w0.2: v1(100.33,77.978) 103.632,74.676 110.109,74.676 112.395,72.39 112.395,62.992 v1(115.189,60.198)
PRO_GP1: J1.138 J8.11 | length 50.2
  L1 w0.2: J1.138@95.211,89.789 95.211,83.732 97.917,81.026 99.187,81.026 v1(100.33,79.883) ; v1(116.586,60.198) 118.11,58.674 118.11,54.991 J8.11@116.84,53.721
  L4 w0.2: v1(100.33,79.883) 104.775,75.438 110.49,75.438 114.046,71.882 114.046,62.738 v1(116.586,60.198)
PRO_RX0: J1.35 J8.4 | length 30.7
  L1 w0.2: J1.35@92.811,46.609 92.811,45.821 92.456,45.466 92.456,43.561 v1(92.837,43.18)
  L4 w0.2: v1(92.837,43.18) 99.441,43.18 105.41,37.211 115.57,37.211 J8.4@116.84,35.941
PRO_RX1: J1.36 J8.5 | length 37.4
  L1 w0.2: J1.36@92.811,49.319 92.811,53.187 93.345,53.721 v1(93.599,53.721) ; v1(96.774,53.721) 98.171,53.721 v1(100.457,51.435)
  L4 w0.2: v1(93.599,53.721) v1(96.774,53.721) ; v1(100.457,51.435) 100.457,46.355 107.061,39.751 115.57,39.751 J8.5@116.84,38.481
PRO_TIM0: J1.147 J8.15 | length 48.9
  L1 w0.2: J1.147@97.211,92.499 97.211,91.765 97.917,91.059 100.711,91.059 102.108,89.662 102.108,56.134 107.061,51.181 J8.15@108.97,51.181
PRO_TX0: J1.33 J8.21 | length 21.8
  L1 w0.2: J1.33@93.211,46.609 93.211,45.713 92.837,45.339 92.837,44.704 v1(93.599,43.942) ; v1(105.664,38.481) 108.204,35.941 J8.21@108.97,35.941
  L4 w0.2: v1(93.599,43.942) 100.203,43.942 v1(105.664,38.481)
PRO_TX1: J1.34 J8.20 | length 27.7
  L1 w0.2: J1.34@93.211,49.319 93.211,52.444 v1(93.472,52.705) ; v1(96.647,52.705) 97.663,52.705 v1(99.568,50.8)
  L4 w0.2: v1(93.472,52.705) v1(96.647,52.705) ; v1(99.568,50.8) 99.568,45.974 107.061,38.481 J8.20@108.97,38.481
RMII_CLK: U1.AA2 U3.33 | length 22.3
  L1 w0.2: v1(72.136,61.087) 72.136,63.881 U1.AA2@72.771,64.516 ; U3.33@76.104,45.974 76.104,48.083 76.327,48.306 v1(76.327,48.387)
  L4 w0.2: v1(72.136,61.087) 75.057,61.087 76.327,59.817 v1(76.327,48.387)
RMII_CRSDV: U1.N2 U3.27 | length 30.8
  L1 w0.15: U1.N2@62.611,64.516 63.246,63.881 63.246,62.738 69.088,56.896 71.366,56.896 78.613,49.649 78.613,43.434 78.229,43.05 U3.27@77.028,43.05
RMII_RXD0: R7.2 U1.R2 U3.24 | length 35.7
  L1 w0.15: v1(65.786,66.929) 65.786,65.151 U1.R2@65.151,64.516 65.786,63.881 65.786,62.103 70.104,57.785 71.755,57.785 79.502,50.038 79.502,42.291 79.061,41.85 U3.24@77.028,41.85
  L4 w0.15: v1(65.786,66.929) R7.2@65.786,68.157
RMII_RXD1: R6.2 U1.T2 U3.23 | length 36.3
  L1 w0.15: v1(67.056,66.929) 67.056,65.151 U1.T2@66.421,64.516 67.056,63.881 67.056,62.103 70.358,58.801 71.882,58.801 80.264,50.419 80.264,42.418 79.296,41.45 U3.23@77.028,41.45
  L4 w0.15: v1(67.056,66.929) R6.2@67.056,68.157
RMII_RXD2: R5.2 U3.22 | length 5.3
  L1 w0.2: U3.22@77.028,41.05 80.727,41.05 81.08,41.402 v1(81.153,41.402)
  L4 w0.2: v1(81.153,41.402) 81.28,41.529 R5.2@81.28,42.376
RMII_RXD3: R4.2 U3.21 | length 6.6
  L1 w0.2: U3.21@77.028,40.65 81.544,40.65 v1(82.296,41.402)
  L4 w0.2: v1(82.296,41.402) R4.2@82.296,42.376
RMII_RXER: R8.2 U3.28 | length 7
  L1 w0.15: U3.28@77.028,43.45 77.74,43.45 77.978,43.688 v1(77.978,44.069)
  L4 w0.2: v1(77.978,44.069) 78.91,44.069 79.079,44.238 R8.2@83.439,44.238
RMII_TXD0: U1.J2 U3.32 | length 32.3
  L1 w0.15: U1.J2@57.531,64.516 56.896,63.881 56.896,61.722 57.785,60.833 62.611,60.833 68.326,55.118 70.739,55.118 77.028,48.829 U3.32@77.028,45.05
RMII_TXD1: U1.H2 U3.31 | length 35.2
  L1 w0.15: U1.H2@56.261,64.516 56.896,65.151 58.039,65.151 58.166,65.024 58.166,62.611 59.055,61.722 62.992,61.722 68.707,56.007 71.12,56.007 77.851,49.276 77.851,44.831 77.67,44.65 U3.31@77.028,44.65
RMII_TXEN: U1.L2 U3.35 | length 29.7
  L1 w0.2: U1.L2@60.071,64.516 v1(60.706,65.151) ; v1(74.422,49.149) 74.803,49.149 75.304,48.648 U3.35@75.304,45.974
  L4 w0.2: v1(60.706,65.151) 60.706,61.595 63.754,58.547 63.754,54.102 65.596,52.261 70.549,52.261 73.66,49.149 v1(74.422,49.149)
USBA_D1_N: D3.1 J4.2A U6.1 | length 25.5
  L1 w0.16: J4.2A@39.83,61 39.83,60.667 40.35,60.147 40.605,60.147 41.042,59.711 41.159,59.593 41.292,59.593 42.196,60.497 42.535,60.497 43.086,59.946 43.086,59.608 42.099,58.621 42.099,58.526 42.477,58.149 42.571,58.149 43.558,59.135 43.897,59.135 44.447,58.585 44.447,58.246 43.461,57.259 43.461,57.165 43.839,56.787 43.933,56.787 44.92,57.773 45.259,57.773 45.809,57.223 45.809,56.884 44.905,55.98 44.905,55.847 45.781,54.971 45.868,54.884 46.523,54.229 49.149,54.229 ; v1(49.403,54.864) 49.338,54.799 49.338,54.418 49.149,54.229 ; U6.1@51.181,54.673 51.111,54.603 50.65,54.603 50.617,54.571 49.917,54.571 49.575,54.229 49.149,54.229
  L4 w0.16: D3.1@48.263,54.544 48.563,54.544 48.756,54.737 48.833,54.737 48.913,54.817 49.356,54.817 v1(49.403,54.864)
USBA_D1_P: D3.2 J4.3A U6.2 | length 25.2
  L1 w0.16: J4.3A@39.83,59 39.83,59.333 40.35,59.852 40.482,59.852 40.833,59.502 41.037,59.298 41.414,59.298 42.318,60.202 42.413,60.202 42.791,59.824 42.791,59.73 41.804,58.743 41.804,58.404 42.355,57.854 42.693,57.854 43.68,58.84 43.775,58.84 44.152,58.462 44.152,58.368 43.166,57.381 43.166,57.042 43.717,56.492 44.055,56.492 45.042,57.478 45.136,57.478 45.514,57.101 45.514,57.006 44.61,56.102 44.61,55.725 45.659,54.676 46.401,53.934 49.19,53.934 ; v1(49.53,53.594) 49.19,53.934 ; U6.2@51.181,54.173 51.111,54.243 50.65,54.243 50.617,54.276 50.039,54.276 49.697,53.934 49.19,53.934
  L4 w0.16: D3.2@48.263,53.594 v1(49.53,53.594)
USBA_D2_N: D3.4 J4.2B U6.3 | length 23.4
  L1 w0.16: J4.2B@37.21,61 37.21,60.633 37.696,60.147 37.95,60.147 38.545,59.553 38.545,58.397 39.03,57.912 41.438,57.912 43.348,56.002 43.348,53.975 43.41,53.913 43.75,53.913 v1(43.815,53.848) 43.88,53.783 43.88,53.434 44.355,52.959 49.751,52.959 50.363,53.571 50.617,53.571 50.65,53.603 51.111,53.603 U6.3@51.181,53.673
  L4 w0.16: v1(43.815,53.848) 43.75,53.913 43.75,54.134 43.691,54.193 43.691,54.419 44.064,54.419 44.545,53.938 44.545,53.385 45.043,52.888 45.043,52.764 45.163,52.644 D3.4@45.463,52.644
USBA_D2_P: D3.5 J4.3B U6.4 | length 23.4
  L1 w0.16: J4.3B@37.21,59 37.21,59.367 37.696,59.852 37.828,59.852 38.25,59.431 38.25,58.275 38.653,57.871 38.908,57.617 41.316,57.617 43.053,55.88 43.053,55.118 v1(42.672,54.737) 43.053,54.356 43.053,53.853 44.242,52.664 49.873,52.664 50.485,53.276 50.617,53.276 50.65,53.243 51.111,53.243 U6.4@51.181,53.173
  L4 w0.16: v1(42.672,54.737) 42.737,54.672 43.091,54.672 43.133,54.714 44.186,54.714 44.84,54.06 44.84,53.808 44.934,53.714 45.343,53.714 D3.5@45.463,53.594
USBA_UP_N: J1.28 U6.30 | length 52.1
  L1 w0.16: U6.30@54.981,55.473 54.911,55.543 54.911,56.004 54.879,56.037 54.879,56.769 56.448,58.338 59.899,58.338 63.119,55.118 63.922,54.315 v1@66.675,54.315 ; v1(74.93,58.039) 74.935,58.044 74.935,58.407 75.029,58.501 90.561,58.501 94.481,54.581 94.481,49.663 94.446,49.628 94.446,49.354 J1.28@94.411,49.319
  L4 w0.16: v1(66.802,54.102) 66.832,54.102 67.066,54.335 70.882,54.335 74.631,58.084 74.885,58.084 v1(74.93,58.039)
USBA_UP_P: J1.26 U6.31 | length 53.5
  L1 w0.16: U6.31@54.481,55.473 54.551,55.543 54.551,56.004 54.584,56.037 54.584,56.891 56.326,58.633 60.021,58.633 64.044,54.61 66.675,54.61 66.675,54.645 66.802,54.772 v1(66.802,54.864) ; v1(74.295,58.547) 74.3,58.552 74.663,58.552 74.907,58.796 90.683,58.796 94.776,54.703 94.776,49.354 J1.26@94.811,49.319
  L4 w0.16: v1(66.802,54.864) 66.832,54.864 67.066,54.631 70.76,54.631 74.422,58.293 74.422,58.328 74.295,58.455 v1(74.295,58.547)
USBA_VBUS: C38.1 D3.6 J1.24 J4.1A J4.1B | length 81.9
  L1 w0.3: J4.1A@39.83,63.5 42.116,61.214 43.053,61.214 43.942,60.325 52.197,60.325 52.959,59.563 61.214,59.563 64.643,56.134 v4(65.786,56.134) ; v4(72.898,59.817) 73.279,60.198 90.043,60.198 95.211,55.03 J1.24@95.211,49.319
  L4 w0.3: v4(65.786,56.134) 69.469,59.817 v4(72.898,59.817)
  L4 w0.4: J4.1B@37.21,63.5 J4.1A@39.83,63.5 45.494,57.836 C38.1@45.494,55.753 45.479,55.738 45.479,54.544 D3.6@45.463,54.544
USBC_D1_N: J1.27 U5.1 | length 69.2
  L1 w0.16: U5.1@38.392,73.916 38.462,73.846 38.462,73.385 38.494,73.352 38.494,72.942 39.974,71.462 39.974,71.151 v1(40.005,71.12) ; v1(94.107,47.625) 94.5,47.232 94.5,46.913 94.411,46.824 J1.27@94.411,46.609
  L4 w0.16: v1(40.005,71.12) 40.132,70.993 71.432,70.993 94.404,48.021 94.404,47.888 94.141,47.625 v1(94.107,47.625)
USBC_D1_P: J1.25 U5.2 | length 69.2
  L1 w0.16: U5.2@38.892,73.916 38.822,73.846 38.822,73.385 38.789,73.352 38.789,73.064 40.22,71.633 40.635,71.633 v1(40.64,71.628) ; J1.25@94.811,46.609 94.776,46.644 94.776,46.929 94.769,46.936 94.769,47.055 94.931,47.217 94.931,47.56 v1(94.996,47.625)
  L4 w0.16: v1(40.64,71.628) 40.98,71.288 41.381,71.288 41.461,71.288 41.554,71.382 41.554,71.47 41.621,71.537 42.155,71.537 42.222,71.47 42.222,71.382 42.316,71.288 43.411,71.288 71.554,71.288 94.699,48.143 94.699,47.888 94.962,47.625 v1(94.996,47.625)
USBC_D2_N: U1.A6 U5.3 | length 12.1
  L1 w0.16: U5.3@39.392,73.916 39.462,73.846 39.462,73.385 39.494,73.352 39.494,73.098 39.989,72.603 41.57,72.603 41.881,72.292 ; 41.824,72.349 41.881,72.292 ; U1.A6@47.371,69.596 47.031,69.936 44.237,69.936 44.18,69.993 43.903,70.27 43.77,70.27 43.505,70.006 43.411,70.006 43.033,70.384 43.033,70.478 43.317,70.762 43.317,70.856 42.939,71.234 42.844,71.234 42.561,70.951 42.466,70.951 42.088,71.328 42.088,71.423 42.353,71.688 42.353,71.82 41.881,72.292
USBC_D2_P: U1.A5 U5.4 | length 12.1
  L1 w0.16: U5.4@39.892,73.916 39.822,73.846 39.822,73.385 39.789,73.352 39.789,73.22 40.111,72.898 41.692,72.898 41.779,72.812 42.089,72.501 44.359,70.231 47.62,70.231 47.82,70.031 47.907,69.944 47.907,68.862 U1.A5@47.371,68.326
USBC_DET: D5.2 R34.2 R35.1 U5.27 | length 15.3
  L1 w0.2: v1(37.338,80.645) 37.338,80.564 37.936,79.966 38.342,79.966 38.392,79.916 U5.27@38.392,79.516 ; D5.2@37.503,92.456 38.17,91.789 38.17,91.497 v1(38.227,91.44)
  L4 w0.2: v1(37.338,80.645) 37.338,82.688 38.481,83.831 38.481,85.629 37.338,86.772 37.338,88.815 R34.2@37.253,88.9 R35.1@37.253,90.551 37.328,90.551 38.217,91.44 v1(38.227,91.44)
USBC_UP_N: D4.3 J3.A7 J3.B7 U5.30 | length 22.8
  L1 w0.16: J3.A7@31.386,87.761 30.603,87.761 30.353,88.011 30.353,88.519 30.595,88.761 J3.B7@31.386,88.761 32.33,88.761 35.747,85.344 37.211,85.344 37.406,85.149 37.406,84.895 v1(37.465,84.836) ; v1@37.465,84.869 v1(37.465,84.836) ; U5.30@37.592,77.716 37.522,77.646 37.061,77.646 37.028,77.614 36.432,77.614 35.56,78.486 35.56,83.947 35.814,84.201 37.211,84.201 37.465,84.455 v1(37.465,84.836)
  L4 w0.16: D4.3@36.418,86.132 36.418,85.832 37.414,84.836 v1(37.465,84.836)
USBC_UP_P: D4.6 J3.A6 J3.B6 U5.31 | length 22.8
  L1 w0.16: J3.B6@31.386,87.261 32.27,87.261 32.512,87.503 32.512,88.011 32.262,88.261 J3.A6@31.754,88.261 ; J3.A6@31.386,88.261 J3.A6@31.754,88.261 ; U5.31@37.592,77.216 37.522,77.286 37.061,77.286 37.028,77.319 36.31,77.319 35.351,78.277 35.265,78.364 35.265,83.861 34.925,84.201 34.417,84.201 v1(33.782,84.836) 34.29,85.344 35.306,85.344 34.04,86.61 33.984,86.666 33.773,86.877 33.64,86.877 33.246,86.483 33.152,86.483 32.774,86.861 32.774,86.956 33.168,87.35 33.168,87.482 32.696,87.954 32.639,88.011 32.287,88.364 31.857,88.364 J3.A6@31.754,88.261
  L4 w0.16: v1(33.782,84.836) 33.804,84.814 33.804,84.346 34.518,83.632 D4.6@34.518,83.332
USBC_VBUS: C39.1 D4.1 J1.23 J3.A4 J3.A9 J3.B4 J3.B9 R34.1 U1.A8 U7.3 U7.4 | length 129.4
  L1 w0.2: J1.23@95.211,46.609 J1.23@95.226,46.594
  L1 w0.3: v2(93.726,45.085) v2@93.737,45.096 ; 95.226,45.696 J1.23@95.226,46.594
  L1 w0.4: J3.A9@31.386,85.461 J3.B4@31.386,85.761 30.19,85.761 29.21,86.741 v2(29.21,88.011) 29.21,89.408 30.063,90.261 J3.B9@31.386,90.261 J3.A4@31.386,90.561 ; v2@93.737,45.096 94.626,45.096 95.226,45.696
  L1 w0.5: v2(35.052,87.503) 36.068,88.519 38.608,88.519 46.101,81.026 v2(46.101,73.406) U1.A8@47.371,72.136
  L4 w0.4: U7.3@95.682,71.497 U7.4@95.682,71.997
  L4 w0.5: v2(29.21,88.011) 33.473,88.011 ; D4.1@34.518,86.132 34.518,86.332 33.995,86.855 ; v2(35.052,87.503) 34.944,87.503 34.295,86.855 33.995,86.855 ; R34.1@36.153,88.9 36.078,88.9 36.009,88.969 C39.1@34.671,88.969 34.431,88.969 33.473,88.011 ; v2(46.101,73.406) 70.739,73.406 83.312,60.833 ; v2(93.726,45.085) 95.567,46.926 96.203,46.926 96.774,47.498 96.774,48.26 95.758,49.276 94.869,49.276 83.312,60.833 ; U7.4@95.682,71.997 94.476,71.997 83.312,60.833 ; 33.473,88.011 33.473,87.377 33.995,86.855
pads on no net: D1.2 D1.3 D1.4 D1.5 D4.2 D4.5 J1.2 J1.4 J1.6 J1.8 J1.10 J1.12 J1.14 J1.16 J1.17 J1.18 J1.19 J1.20 J1.29 J1.37 J1.38 J1.39 J1.40 J1.53 J1.55 J1.56 J1.57 J1.58 J1.59 J1.60 J1.61 J1.62 J1.63 J1.64 J1.65 J1.66 J1.67 J1.68 J1.69 J1.70 J1.71 J1.72 J1.73 J1.74 J1.75 J1.76 J1.77 J1.78 J1.79 J1.80 J1.81 J1.82 J1.83 J1.84 J1.85 J1.86 J1.87 J1.88 J1.89 J1.90 J1.91 J1.92 J1.93 J1.94 J1.95 J1.96 J1.97 J1.98 J1.99 J1.100 J1.101 J1.102 J1.103 J1.109 J1.110 J1.111 J1.112 J1.114 J1.115 J1.116 J1.117 J1.118 J1.119 J1.120 J1.121 J1.122 J1.123 J1.126 J1.128 J1.129 J1.130 J1.131 J1.132 J1.133 J1.134 J1.135 J1.139 J1.140 J1.141 J1.142 J1.143 J1.144 J1.145 J1.146 J1.148 J1.149 J1.151 J1.152 J1.154 J1.155 J1.156 J1.157 J1.158 J1.159 J1.160 J1.S1 J1.S2 J1.S3 J1.S4 J1.S5 J1.S6 J1.S7 J1.S8 J2.SP1 J2.SP2 J3.A8 J3.B8 J3.MH1 J3.MH2 J7.3 J7.4 J7.5 U1.A2 U1.A9 U1.A10 U1.A12 U1.A13 U1.A14 U1.AA1 U1.AA3 U1.AA5 U1.AA6 U1.AA7 U1.AA8 U1.AA9 U1.AA10 U1.AA11 U1.AA12 U1.AB1 U1.AB9 U1.AB10 U1.AB11 U1.AB12 U1.AC1 U1.AC2 U1.AC5 U1.AC9 U1.AC10 U1.AC11 U1.AC12 U1.AC14 U1.B2 U1.B3 U1.B9 U1.B10 U1.B11 U1.B12 U1.B14 U1.B15 U1.B16 U1.B22 U1.B23 U1.C1 U1.C2 U1.C3 U1.C5 U1.C6 U1.C8 U1.C9 U1.C10 U1.C11 U1.C12 U1.C13 U1.C14 U1.C21 U1.C22 U1.E1 U1.F1 U1.F2 U1.F3 U1.G1 U1.G3 U1.G22 U1.H1 U1.H3 U1.J1 U1.J3 U1.K3 U1.L1 U1.L3 U1.M2 U1.M3 U1.N1 U1.N3 U1.R1 U1.T1 U1.T3 U1.U1 U1.U3 U1.V1 U1.V2 U1.V3 U1.W1 U1.W2 U1.W3 U1.Y1 U1.Y3 U3.25 U3.29 U3.30 U3.36 U3.40 U3.45 U3.47 U3.49 U3.52 U3.53 U4.11 U5.5 U5.6 U5.7 U5.8 U5.9 U5.11 U5.13 U5.17 U5.18 U5.19 U5.20 U5.21 U5.34 U6.5 U6.6 U6.7 U6.8 U6.9 U6.11 U6.13 U6.17 U6.18 U6.19 U6.20 U6.21 U6.34

## Polygon pours and split planes (outlines as drawn)
GND on L3 "NONET_L-01_P-001" (solid, pour order 1): 25.4,100.4 120.4,100.4 120.4,25.4 25.4,25.4
no net on L2 "NONET_L-01_P-001" (solid, pour order 0): 25.4,100.4 120.4,100.4 120.4,25.4 25.4,25.4
GND on L1 (solid, pour order 9): 25.4,25.4 120.4,25.4 120.4,100.4 25.4,100.4
GND on L4 "NONET_L-01_P-001" (solid, pour order 5): 25.4,100.4 120.4,100.4 120.4,25.4 25.4,25.4

## Other copper
L1:
  rectangle net +3.3: 46.609,84.201 50.8,87.884
  pour cut-out: 107.86,80.96 112.94,80.96 112.94,86.04 107.86,86.04
  pour cut-out: 107.86,90.96 112.94,90.96 112.94,96.04 107.86,96.04

## Silkscreen, mask and mechanical layers (free items; w line width, h text height)
Top Overlay:
  drawing of 29 lines, arcs and shapes, not listed
  text "Mosaic Alto" at 81.591,52.615 h4
  text "compatible with                                                arduino" at 81.44,36.703 h1.2
Bottom Overlay:
  text "open-source design by AG" at 27.651,48.833 h1.2 r270
Mechanical 1:
  the board outline again, w0.127

## Text inside footprints (layer, text, board x,y; h text height)
J2: Top Overlay "+" at 27.687,46.738 h1.42 r270; Top Overlay "+" at 27.681,35.927 h1.42 r270; Top Overlay "-" at 27.692,43.814 h1.42 r270; Top Overlay "-" at 27.704,33.145 h1.42 r270